# KiCad board Soldered Inkplate 6FLICK.kicad_pcb (continued)
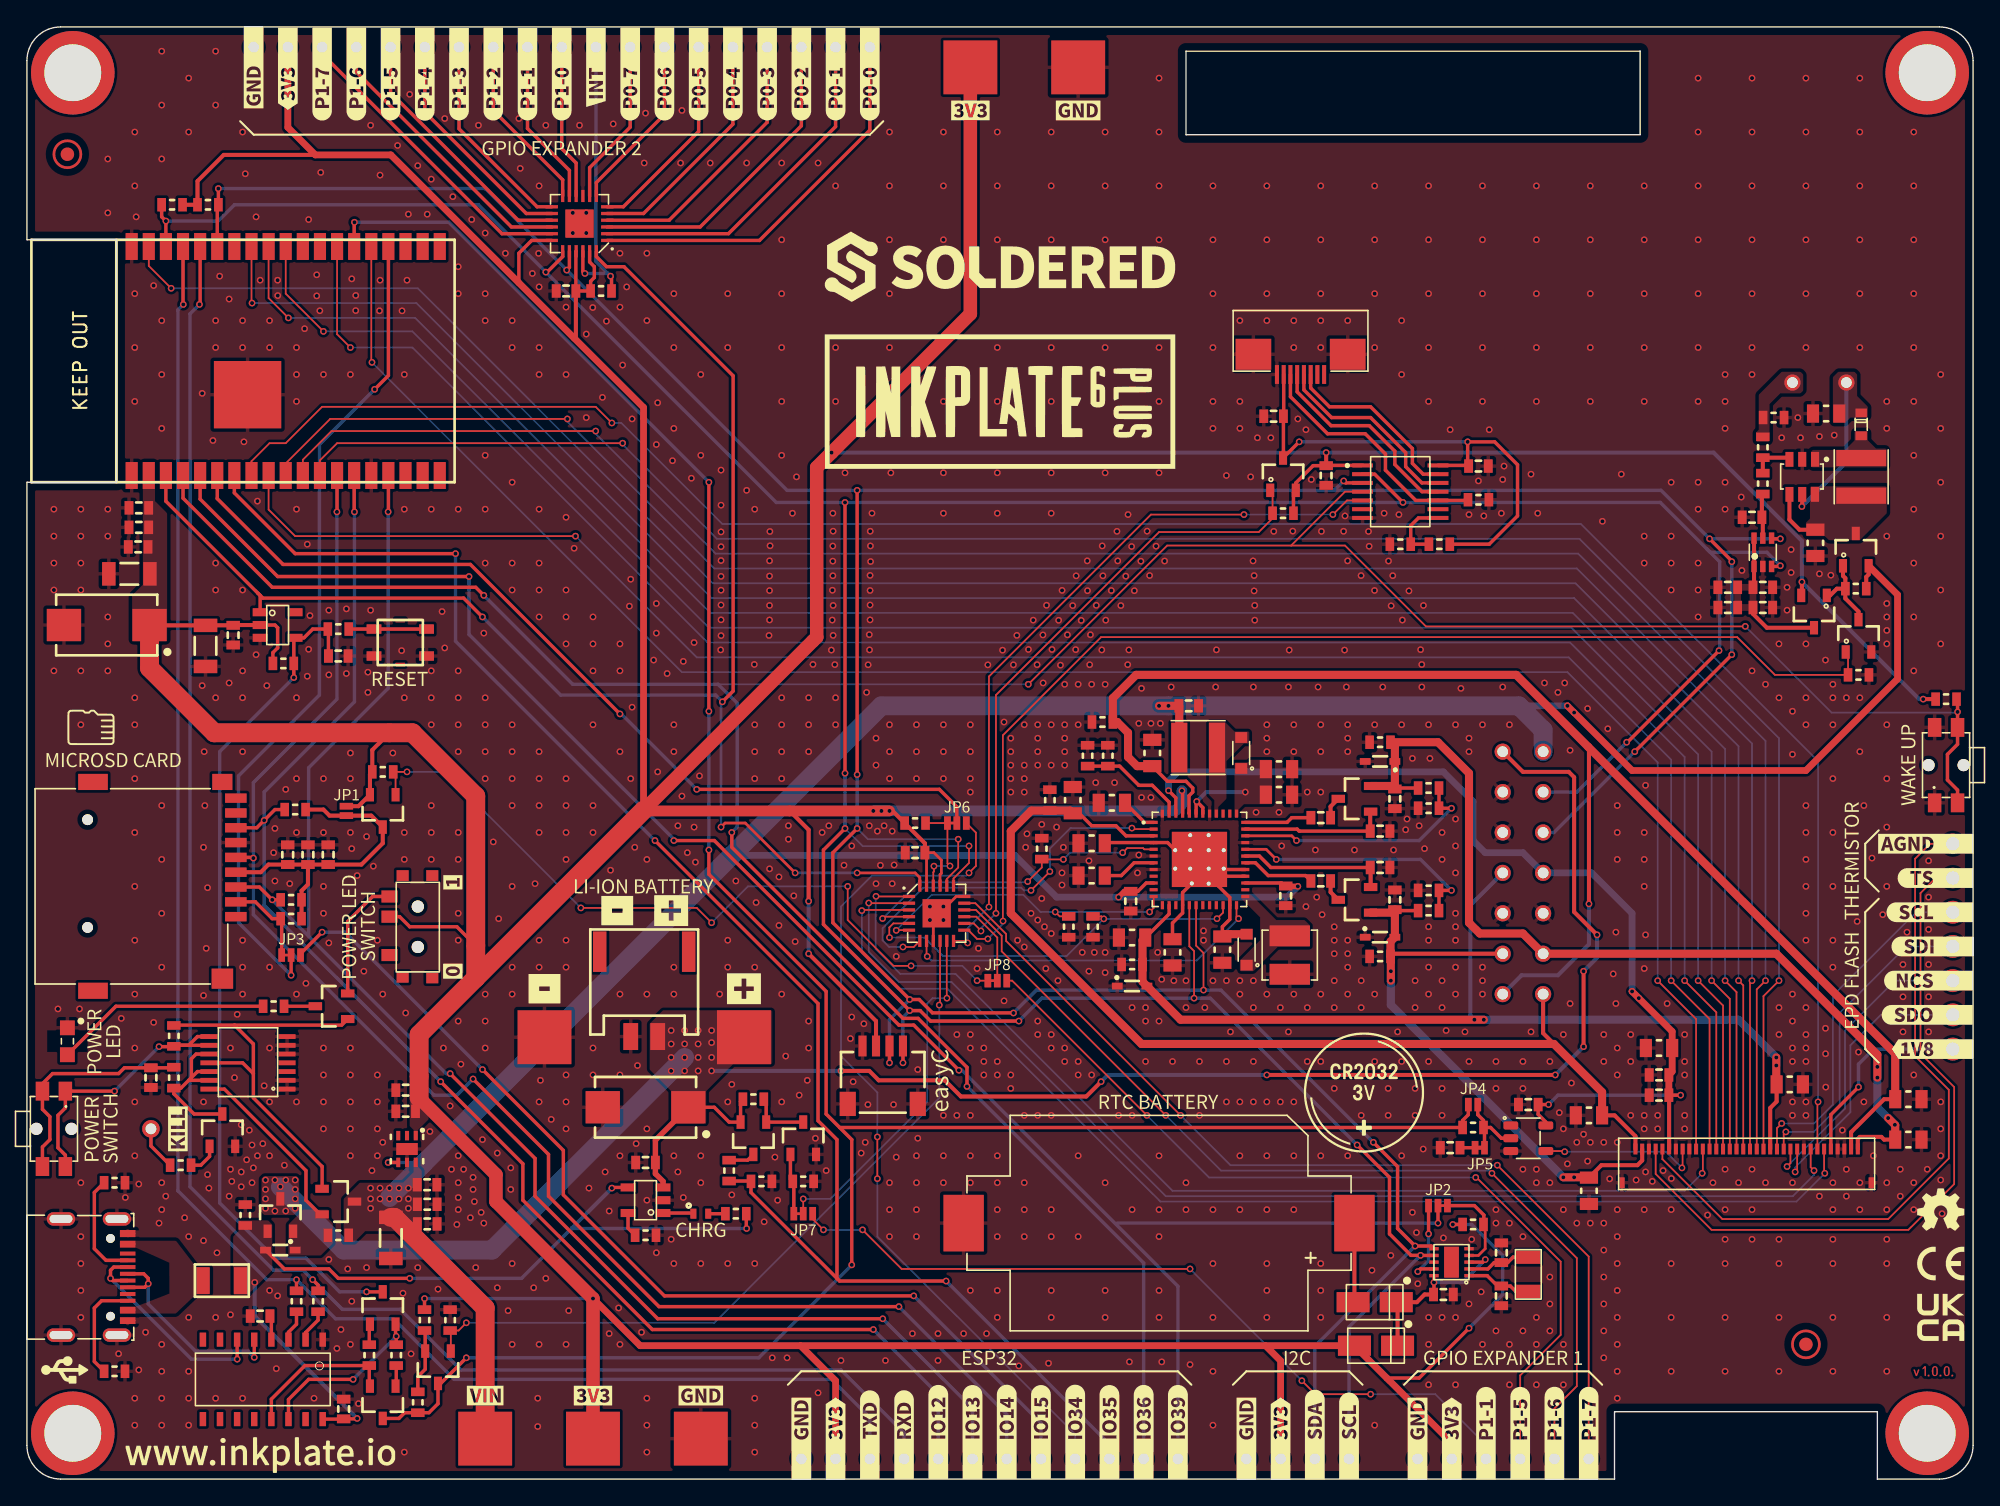
[diagram p0: board, top side]
## Footprints (pads in the part's own frame, mm; a bottom-side part is the same pattern mirrored in y, then rotated) (continued)
INKPLATE TEST HEADER
  round 1.2 hole 0.8: 1(-1.5,9) 2(-1.5,6) 3(-1.5,3) 4(-1.5,0) 5(-1.5,-3) 6(-1.5,-6) 7(-1.5,-9) 8(1.5,-9) 9(1.5,-6) 10(1.5,-3) 11(1.5,0) 12(1.5,3) 13(1.5,6) 14(1.5,9)
JST-2pin-SMD
  rect 1x3 smd: (-3.3,3.15) (3.3,3.15)
  rect 1.1x2 smd: 1(1,-3.15) 2(-1,-3.15)
K2-1114SA-A4SW-06
  round 0.9 hole 0.9 unplated: (0,1.3) (0,-1.3)
  rect 1.4x1 smd: 1(-2.8,0.85) 1(2.8,0.85) 2(-2.8,-0.85) 2(2.8,-0.85)
LTST-S270GKT
  rect 1.1x1.1 smd: 1(-1,0) 2(1,0)
M4_DIODA
  rect 2.45x1.5 smd: 1(-1.6,0) 2(1.6,0)
MCP47A1-SOT23-6
  rect 0.85x0.4 smd: 1(-1.05,0.65) 2(-1.05,0) 3(-1.05,-0.65) 4(1.05,-0.65) 5(1.05,0) 6(1.05,0.65)
NR4012
  rect 1.2x3.7 smd: 1(-1.4,0) 2(1.4,0)
PAD_4x4
  rect 4x4 smd: 1(0,0)
PCAL6416AHF,128
  rect 0.9x0.24 smd: 1(-2.05,1.25) 2(-2.05,0.75) 3(-2.05,0.25) 4(-2.05,-0.25) 5(-2.05,-0.75) 6(-2.05,-1.25) 13(2.05,-1.25) 14(2.05,-0.75) 15(2.05,-0.25) 16(2.05,0.25) 17(2.05,0.75) 18(2.05,1.25)
  rect 0.24x0.9 smd: 7(-1.25,-2.05) 8(-0.75,-2.05) 9(-0.25,-2.05) 10(0.25,-2.05) 11(0.75,-2.05) 12(1.25,-2.05) 19(1.25,2.05) 20(0.75,2.05) 21(0.25,2.05) 22(-0.25,2.05) 23(-0.75,2.05) 24(-1.25,2.05)
  rect 2.1x2.1 smd: 25(0,0)
PCF85063A
  rect 1.1x2.3 smd: (0,0)
  rect 0.7x0.25 smd: 1(-1.3,1) 2(-1.3,0.5) 3(-1.3,0) 4(-1.3,-0.5) 5(-1.3,-1) 6(1.3,-1) 7(1.3,-0.5) 8(1.3,0) 9(1.3,0.5) 10(1.3,1)
SFV8R-1STBE1HLF
  rect 0.3x1.4 smd: 1(-1.75,0) 2(-1.25,0) 3(-0.75,0) 4(-0.25,0) 5(0.25,0) 6(0.75,0) 7(1.25,0) 8(1.75,0)
  rect 2.65x2.3 smd: 9(-3.5,-1.5) 9(3.5,-1.5)
SK-3296S-01-L1
  rect 0.9x1.2 smd: 1(2.1,-2.1) 2(-0.75,-2.1) 3(-2.25,-2.1)
  round 0.9 hole 0.9: MH1(-1.5,0) MH2(1.5,0)
  rect 0.8x0.9 smd: MP1(-3.8,-1.125) MP2(3.75,-1.125) MP3(3.8,1.075) MP4(-3.8,1.075)
SMD-JUMPER-CONNECTED_TRACE_SOLDERMASK
  rect 0.5x1 smd: 1(-0.35,0) 2(0.35,0)
SMD_JUMPER
  rect 0.5x1 smd: 1(-0.35,0) 2(0.35,0)
SMD_JUMPER_3_PAD_CONNECTED_LEFT_TRACE
  rect 0.5x1 smd: 1(-0.7,0) 3(0.7,0)
  custom 0.5x1 smd: 2(0,0)
SN74LVC1G34DBV
  rrect 1.1x0.6 smd: 1(-1.3,0.95) 2(-1.3,0) 3(-1.3,-0.95) 4(1.3,-0.95) 5(1.3,0.95)
SOD-323
  rect 0.8x0.5 smd: 1(1.1,0) 2(-1.1,0)
SOD-323#2
  rect 0.8x0.5 smd: 1(-1.1,0) 2(1.1,0)
SOD-323-2
  rect 0.8x0.9 smd: 1(-1.15,0) 2(1.15,0)
SOD-523
  rect 0.85x0.65 smd: 1(0,-0.85) 2(0,0.85)
SOP-16
  rect 1.05x0.48 smd: 1(-2.95,4.445) 2(-2.95,3.175) 3(-2.95,1.905) 4(-2.95,0.635) 5(-2.95,-0.635) 6(-2.95,-1.905) 7(-2.95,-3.175) 8(-2.95,-4.445) 9(2.95,-4.445) 10(2.95,-3.175) 11(2.95,-1.905) 12(2.95,-0.635) 13(2.95,0.635) 14(2.95,1.905) 15(2.95,3.175) 16(2.95,4.445)
SOT26
  rect 0.6x1.1 smd: 1(-0.95,-1.3) 2(0,-1.3) 3(0.95,-1.3) 4(0.95,1.3) 5(0,1.3) 6(-0.95,1.3)
SOT-23-3
  rect 1x0.6 smd: 1(-1.2,0.95) 2(-1.2,-0.95) 3(1.2,0)
SOT-23-3#2
  rect 1x0.6 smd: 1(1.2,-0.95) 2(1.2,0.95) 3(-1.2,0)
SOT-23-5
  rect 1.1x0.6 smd: 1(-1.3,0.95) 2(-1.3,0) 3(-1.3,-0.95) 4(1.3,-0.95) 5(1.3,0.95)
Standoff_M3
  round 6.2 hole 4.22: (0,0)
TESTPOINT-HOLE
  round 1.2 hole 0.8: 1(0,0)
TPS7A2633DRVR
  rect 0.7x0.3 smd: 1(-0.995,0.65) 2(-0.995,0) 3(-0.995,-0.65) 4(0.995,-0.65) 5(0.995,0) 6(0.995,0.65)
  rect 0.89x1.6 smd: 5(0,0)
TSSOP-14
  rect 1.26x0.36 smd: 1(-2.9,1.95) 2(-2.9,1.3) 3(-2.9,0.65) 4(-2.9,0) 5(-2.9,-0.65) 6(-2.9,-1.3) 7(-2.9,-1.95) 8(2.9,-1.95) 9(2.9,-1.3) 10(2.9,-0.65) 11(2.9,0) 12(2.9,0.65) 13(2.9,1.3) 14(2.9,1.95)
TXS0104EPWR
  rect 1.55x0.3 smd: 1(-2.8,1.95) 2(-2.8,1.3) 3(-2.8,0.65) 4(-2.8,0) 5(-2.8,-0.65) 6(-2.8,-1.3) 7(-2.8,-1.95) 8(2.8,-1.95) 9(2.8,-1.3) 10(2.79,-0.65) 11(2.8,0) 12(2.8,0.65) 13(2.8,1.3) 14(2.8,1.95)
U262-161N-4BVC11
  round 0.65 hole 0.65 unplated: (-2.913,-3.2) (2.862,-3.2)
  rect 0.3x1.15 smd: A1(3.337,-4.475) A4(2.537,-4.475) A5(1.237,-4.475) A6(0.237,-4.475) A7(-0.263,-4.475) A8(-1.263,-4.475) A9(-2.563,-4.475) A12(-3.338,-4.475) B1(-3.138,-4.475) B4(-2.363,-4.475) B5(-1.763,-4.475) B6(-0.763,-4.475) B7(0.737,-4.475) B8(1.737,-4.475) B9(2.337,-4.475) B12(3.112,-4.475)
  oval 1x2.1 hole 0.6x1.7: SH(-4.313,0.475) SH(-4.313,-3.675) SH(4.312,0.475) SH(4.312,-3.675)
VQFN-49
  rect 0.6x0.24 smd: 1(-3.4,2.75) 2(-3.4,2.25) 3(-3.4,1.75) 4(-3.4,1.25) 5(-3.4,0.75) 6(-3.4,0.25) 7(-3.4,-0.25) 8(-3.4,-0.75) 9(-3.4,-1.25) 10(-3.4,-1.75) 11(-3.4,-2.25) 12(-3.4,-2.75) 25(3.4,-2.75) 26(3.4,-2.25) 27(3.4,-1.75) 28(3.4,-1.25) 29(3.4,-0.75) 30(3.4,-0.25) 31(3.4,0.25) 32(3.4,0.75) 33(3.4,1.25) 34(3.4,1.75) 35(3.4,2.25) 36(3.4,2.75)
  rect 0.24x0.6 smd: 13(-2.75,-3.4) 14(-2.25,-3.4) 15(-1.75,-3.4) 16(-1.25,-3.4) 17(-0.75,-3.4) 18(-0.25,-3.4) 19(0.25,-3.4) 20(0.75,-3.4) 21(1.25,-3.4) 22(1.75,-3.4) 23(2.25,-3.4) 24(2.75,-3.4) 37(2.75,3.4) 38(2.25,3.4) 39(1.75,3.4) 40(1.25,3.4) 41(0.75,3.4) 42(0.25,3.4) 43(-0.25,3.4) 44(-0.75,3.4) 45(-1.25,3.4) 46(-1.75,3.4) 47(-2.25,3.4) 48(-2.75,3.4)
  round 0.5 hole 0.3: 49(-1.8,0.685) 49(-1.8,-0.685) 49(-0.685,1.8) 49(-0.685,0.685) 49(-0.685,-0.685) 49(-0.57,-1.78) 49(0.685,1.8) 49(0.685,0.685) 49(0.685,-0.685) 49(0.685,-1.8) 49(1.8,0.685) 49(1.8,-0.685)
  rect 4.1x4.1 smd: 49(0,0)
YTSA007A0151803B
  rect 0.7x0.25 smd: (0,1.625) (0,-1.625)
  rect 1.1x0.7 smd: 1(-1.95,1) 1(1.95,1) 2(-1.95,-1) 2(1.95,-1)

## Nets
3V3: C21.2 C23.2 C31.2 C33.2 C40.2 C60.2 C61.2 C62.2 C63.2 C64.2 C65.1 C66.2 D11.1 JP1.2 K3.3 K5.1 K16.1 K47.1 K50.1 PAD4.1 PAD5.1 Q10.2 Q11.2 Q12.2 R1.2 R4.2 R20.2 R22.2 R40.1 R41.2 R42.2 R46.1 R56.1 R57.1 S1.2 U1.45 U2.2 U6.1 U8.1 U13.21 U13.23 U14.2 U15.18 U15.21 U15.23
3V3-EINK: C50.2 C57.1 C58.1 C59.2 K1.4 K14.6 U1.46 U12.5
3V3_MICROSD: C37.2 C38.2 C39.2 JP1.1 K10.4 Q10.3 R43.2 R44.2 R45.2
3V3_RTC: C36.2 D11.2 D12.2 U7.3 U7.10
3V3_TOUCH: C41.1 C47.2 K12.7 Q11.3 R47.2 U8.14
/POWER/VDDH_D: C19.2 D7.1 U1.35
/POWER/VDDH_DRV: C17.1 U1.36
/POWER/VDDH_FB: R13.1 R14.2 U1.34
/POWER/VEE_D: C18.2 D6.2 U1.31
/POWER/VEE_DRV: C16.2 U1.30
/POWER/VEE_FB: R15.1 R16.2 U1.32
AGND: K14.5 K52.1
GND: C1.1 C2.1 C3.1 C4.1 C5.1 C6.1 C7.1 C8.1 C9.2 C10.1 C11.2 C12.1 C13.1 C14.1 C15.1 C18.1 C19.1 C20.1 C21.1 C22.1 C23.1 C24.2 C25.1 C26.1 C27.1 C28.1 C29.1 C30.1 C31.1 C32.1 C33.1 C34.1 C35.1 C36.1 C37.1 C38.1 C39.1 C40.1 C41.2 C42.2 C43.2 C44.2 C45.1 C46.1 C47.1 C48.1 C49.1 C50.1 C51.1 C52.1 C53.1 C54.1 C55.1 C56.1 C57.2 C58.2 C59.1 C60.1 C61.1 C62.1 C63.1 C64.1 C65.2 C66.1 D2.1 D4.2 D5.2 D9.2 K1.3 K1.9 K1.10 K1.12 K2.A1 K2.A12 K2.B1 K2.B12 K2.SH K3.4 K3.5 K4.2 K8.1 K10.6 K11.- K12.8 K12.9 K14.3 K14.7 K14.9 K14.26 K14.31 K14.32 K14.35 K17.1 K48.1 K51.1 L1.1 PAD2.1 PAD6.1 PAD7.1 Q4.2 Q8.2 Q13.2 R2.1 R3.1 R5.2 R6.2 R7.2 R8.2 R9.2 R10.1 R11.1 R12.1 R14.1 R16.1 R17.2 R18.2 R19.1 R25.1 R31.1 R32.2 R36.1 R48.2 R49.2 R50.1 R53.1 SW1.1 SW3.1 U1.6 U1.8 U1.33 U1.41 U1.48 U2.3 U3.1 U4.2 U5.1 U5.2 U5.5 U5.6 U5.7 U6.5 U7.5 U8.7 U9.2 U10.2 U12.3 U13.9 U13.18 U13.25 U14.1 U14.15 U14.38 U14.39 U15.9 U15.25
VBAT: C24.1 C25.2 K1.8 K4.1 PAD1.1 Q5.2 Q7.3 R29.2 U4.3
VDDH: C14.2 C55.2 D2.2 D7.2 K1.2 K14.34 R10.2 R13.2
VEE: C15.2 C52.2 D5.1 D6.1 K1.13 K14.2 R12.2 R15.2
VIN: C5.2 C8.2 C10.2 C27.2 C28.2 C29.2 C30.2 K1.7 L2.1 PAD3.1 Q9.3 Q14.2 R34.2 R54.2 U1.10 U1.27 U6.4 U6.6
VIN_BCK: C49.2 L3.2 Q14.3 U10.4 U10.6
/CTRL & COMS/CH_RXD: R23.1 U3.3
/CTRL & COMS/CH_TXD: R24.1 U3.2
/CTRL & COMS/DTR: Q3.2 R26.2 U3.13
/CTRL & COMS/RTS: Q2.2 R27.2 U3.14
/E-paper/DAC_OUT: C45.2 R52.2 U9.5
/MCU & GPIO Expanders/GPB_6: K21.1 U13.16
/MCU & GPIO Expanders/GPB_7: K22.1 U13.17
/POWER/INT_LDO: C4.2 U1.7
/POWER/TS: R2.2 R3.2 U1.47
/POWER/VB: C11.1 C12.2 D3.1 U1.37 U1.42 U1.43
/POWER/VB_SW: D3.2 L2.2 U1.40
/POWER/VN: C3.2 C7.2 C9.1 D1.2 U1.4 U1.16 U1.23 U1.28 U1.29 U1.49
/POWER/VN_SW: D1.1 L1.2 U1.25
/POWER/VREF: C1.2 U1.1
/SD_RTC_GPIO/CLKOUT_RTC: JP2.3 U7.9
/SD_RTC_GPIO/X1: C34.2 U7.1 X1.1
/SD_RTC_GPIO/X2: C35.2 U7.2 X1.2
BCK_ANODE: C48.2 D13.2 TP2.1 U10.5
BCK_CATHODE: R50.2 R51.1 TP1.1
BCK_MOS: Q12.1 Q13.3 Q14.1 R54.1
D+: K2.A6 K2.B6 U3.5
D-: K2.A7 K2.B7 U3.6
EPD_CKV: K14.28 U14.8
EPD_CL: K14.8 U12.4
EPD_D0: K14.13 U14.26
EPD_D1: K14.14 U14.29
EPD_D2: K14.15 U14.30
EPD_D3: K14.16 U14.31
EPD_D4: K14.17 U14.37
EPD_D5: K14.18 U14.10
EPD_D6: K14.19 U14.11
EPD_D7: K14.20 U14.12
EPD_GMODE: K14.27 U13.2
EPD_LE: K14.10 U14.24
EPD_OE: K14.11 U13.1
EPD_SPH: K14.12 U14.9
EPD_SPV: K14.29 U13.3
GPB3: Q13.1 R53.2 U13.13
GPB4: Q11.1 R46.2 U13.14
GPIO15: JP3.3 K38.1
GPIO_0: JP4.1 Q1.3 Q3.3 R21.1 R55.1 U14.25
GPIO_0_MOSFET: Q1.1 R19.2 U13.10
GPIO_36: K37.1 R41.1 SW3.2 U8.4 U14.4
GPIO_39: JP2.2 K36.1 U14.5
I2C_SCL: K1.6 K3.1 K6.1 R1.1 U1.17 U7.7 U8.2 U9.3 U13.19 U14.36 U15.19
I2C_SCL_B: K12.3 U8.13
I2C_SDA: K1.5 K3.2 K7.1 R4.1 U1.18 U7.6 U8.3 U9.4 U13.20 U14.33 U15.20
I2C_SDA_B: K12.4 U8.12
INT: U1.2 U13.7
INTB: JP6.1 R56.2 U13.22
IO34: JP6.2 U14.6
MANUAL_RST: C26.2 Q2.3 R22.1 R33.2 U2.4
PWR_GOOD: U1.24 U13.8
PWRUP: R7.1 U1.22 U13.5
RST: U2.1 U13.24 U14.3 U15.24
RXD: K20.1 R24.2 U14.34
SD_ENABLE: JP8.1 Q10.1 R40.2
SPI_CS: JP3.2 U14.23
SPI_MISO: K10.7 K26.1 R45.1 U14.14
SPI_MOSI: K10.3 K27.1 R44.1 U14.16
SPI_SCK: K10.5 K25.1 U14.13
SW_IN: D10.2 Q7.2 Q9.2 R34.1 U5.14
SW_OUT_D: Q6.1 Q9.1 R38.2 U5.11
TOUCH_INT_B: K12.5 U8.11
TOUCH_RESET: U8.5 U13.12
TOUCH_RESET_B: K12.6 R49.1 U8.10
TS: K14.4 K52.2
TXD: K19.1 R23.2 U14.35
V_BAT: K18.1 R30.1 R31.2 U14.7
V_BAT_MOS: JP7.1 Q4.1 R25.2
VCOM: C6.2 C53.2 D4.1 K1.11 K14.21 R11.2 U1.14
VCOM_CTRL: R6.1 U1.12 U13.6
VNEG: C2.2 C51.2 K1.1 K14.1 R8.1 U1.3
VPOS: C13.2 C54.2 K1.14 K14.33 R9.1 U1.44
VUSB: C20.2 D10.1 F1.1 Q7.1 R28.1 R36.2 U3.16 U4.4
WAKEUP: R5.1 U1.5 U13.4
Net-(C16-Pad1): C16.1 D6.3
Net-(C17-Pad2): C17.2 D7.3
Net-(C22-Pad2): C22.2 U3.4
Net-(C32-Pad2): C32.2 R39.1 SW2.2
Net-(C42-Pad1): C42.1 C43.1 C44.1 C46.2 Q12.3 U9.1 U9.6
Net-(C56-Pad2): C56.2 JP5.1
Net-(D8-Pad1): D8.1 R28.2
Net-(D8-Pad2): D8.2 U4.1
Net-(D9-Pad1): D9.1 R35.2
Net-(D12-Pad1): D12.1 K11.+
Net-(D13-Pad1): D13.1 L3.1 U10.1
Net-(F1-Pad2): F1.2 K2.A4 K2.A9 K2.B4 K2.B9
Net-(JP2-Pad1): JP2.1 R42.1 U7.4
Net-(JP3-Pad1): JP3.1 K10.2 R43.1
Net-(JP4-Pad2): JP4.2 JP5.2 R55.2 U12.2
Net-(JP6-Pad3): JP6.3 K15.1
Net-(JP7-Pad2): JP7.2 U13.11
Net-(JP7-Pad3): JP7.3 K23.1
Net-(JP8-Pad2): JP8.2 U13.15
Net-(JP8-Pad3): JP8.3 K24.1
Net-(K2-PadA5): K2.A5 R18.1
Net-(K2-PadB5): K2.B5 R17.1
Net-(K9-Pad1): K9.1 R37.2
Net-(K13-Pad1): K13.1 K14.30
Net-(K13-Pad2): K13.2 K14.25
Net-(K13-Pad3): K13.3 K14.24
Net-(K13-Pad4): K13.4 K14.23
Net-(K13-Pad5): K13.5 K14.22
Net-(K28-Pad1): K28.1 U15.1
Net-(K29-Pad1): K29.1 U15.2
Net-(K30-Pad1): K30.1 U15.3
Net-(K31-Pad1): K31.1 U15.4
Net-(K32-Pad1): K32.1 U15.5
Net-(K33-Pad1): K33.1 U15.6
Net-(K34-Pad1): K34.1 U15.7
Net-(K35-Pad1): K35.1 U15.8
Net-(K39-Pad1): K39.1 U15.10
Net-(K40-Pad1): K40.1 U15.11
Net-(K41-Pad1): K41.1 U15.12
Net-(K42-Pad1): K42.1 U15.13
Net-(K43-Pad1): K43.1 U15.14
Net-(K44-Pad1): K44.1 U15.15
Net-(K45-Pad1): K45.1 U15.16
Net-(K46-Pad1): K46.1 U15.17
Net-(K49-Pad1): K49.1 R57.2 U15.22
Net-(Q1-Pad2): Q1.2 R20.1 R21.2
Net-(Q2-Pad1): Q2.1 R26.1
Net-(Q3-Pad1): Q3.1 R27.1
Net-(Q4-Pad3): Q4.3 Q5.1 R29.1
Net-(Q5-Pad3): Q5.3 R30.2
Net-(Q6-Pad2): Q6.2 S1.3
Net-(Q6-Pad3): Q6.3 R35.1
Net-(Q8-Pad1): Q8.1 R37.1
Net-(Q8-Pad3): Q8.3 R39.2 U5.10 U5.12 U5.13
Net-(R32-Pad1): R32.1 U4.5
Net-(R33-Pad1): R33.1 SW1.2
Net-(R38-Pad1): R38.1 SW2.1 U5.8 U5.9
Net-(R47-Pad1): R47.1 R48.1 U8.8
Net-(R51-Pad2): R51.2 R52.1 U10.3

Pads without a net: FD1 1; FD2 1; K2 A8 B8; K10 1 8 12 CD MNT; K12 1 2; S1 1 MH1 MH2 MP1 MP2 MP3 MP4; U1 9 11 13 15 19 20 21 26 38 39; U2 5; U3 7 8 9 10 11 12 15; U5 3 4; U6 2 3; U7 8; U8 6 9; U12 1; U14 17 18 19 20 21 22 27 28 32

## Via types
v1: diameter 0.5, hole 0.3, Top to Bottom, 1687 vias

## Routing (per net, layer and track width the routed paths; a pad name or vN(x,y) marks a point on that pad's centre or on a via; arc(x,y) is an arc through that point)
3V3: length 591.1
  Top w0.2: U13.23 66.75,46.38 C60.2 67.3,46.5 67.85,45.95 67.85,44.97 67.75,44.87 U13.21
  Top w0.254: U8.1 96.82,75.25 96.8,75.23 95.43,75.23 94.15,73.95 Q11.2 93.97,73.22 R46.1 ; S1.2 27.65,41.75 28.4,41 31.9,41 33.3,39.6 ; 13.25,63.38 C21.2 ; U1.45 85.75,51.05 v1(85.7,51.1) ; U15.21 40.73,91.13 C66.2 R57.1 41.83,88.92 42.1,89.2 42.1,90 41.75,90.35 U15.23 ; R20.2 v1(29.5,13.4) ; R22.2 18.25,61.35 18.6,61.7 18.6,63.2 18.4,63.4 U2.2 ; 9.12,63.38 C65.1 ; v1(107,11.2) 103.3,7.5 100.9,7.5 ; 36.5,88.8 36.5,91 37.45,91.95 U15.18 ; 15.32,63.4 C23.2 ; v1(105.8,18.9) R42.2
  Top w0.3: C21.2 9.12,63.38 ; R41.2 v1(140.7,57.9) ; v1(131.7,66.6) 131.7,65.65 Q12.2 ; C60.2 66.63,47.19 64.22,49.6 v1(64,49.6) ; 21.4,98.3 14.6,98.3 12.66,96.35 R4.2 R1.2 ; C40.2 v1(96.4,76.2) ; JP1.2 24.6,49.95 Q10.2 25.45,52.33 R40.1 25.62,54.12 26.9,55.4 ; U2.2 15.32,63.4 ; v1(58,39) 63,34 K3.3 ; C23.2 13.25,63.38 ; v1(58,42.9) 58,48.2 56.6,49.6 ; 40.73,84.57 C66.2
  Top w0.5: 57.4,9.9 45.5,9.9 v1(42,13.4) ; 57.4,9.9 91.9,9.9 ; 57.4,9.9 60,7.3 K16.1 ; 91.9,9.9 D11.1 105.72,2.68 K47.1 ; 91.9,9.9 93.02,8.78 K5.1 ; 45.75,49.65 45.75,79.55 27,98.3 21.4,98.3 19.36,100.34 K50.1
  Top w0.8: 45.75,49.65 45.8,49.6 v1(64,49.6)
  Top w1: 45.75,49.65 58.6,62.5 58.6,75.1 v1(59.7,76.2) 70,86.5 PAD4.1 ; PAD5.1 v1(42,13.4) 34.8,20.6 34.8,22.6 29.1,28.3
  Top w1.4: 29.1,28.3 29.1,33 33.3,37.2 ; C65.1 9.09,60.2 13.9,55.4 28.6,55.4 33.3,50.7 33.3,37.2 ; 33.3,37.2 45.75,49.65
  Bottom w0.254: v1(42,13.4) v1(29.5,13.4) ; v1(107,11.2) 109.5,13.7 109.5,16.6 107.2,18.9 v1(105.8,18.9)
  Bottom w0.3: v1(59.7,76.2) v1(96.4,76.2) 125.15,76.2 131.7,69.65 v1(131.7,66.6) 140.4,57.9 v1(140.7,57.9) ; v1(58,39) v1(58,42.9)
  Bottom w0.8: v1(85.7,51.1) 85.7,50.1 85.2,49.6 v1(62.8,49.6)
  vias: v1(63.4,49.6)
3V3-EINK: length 76.4
  Top w0.254: v1(84.71,51.11) 85.25,50.57 U1.46 ; U12.5 112.7,26.5 112.13,27.07 C59.2 v1(112.9,27.8) ; v1(122.7,28.5) C58.1
  Top w0.3: C58.1 121.85,28.48 K14.6
  Top w0.5: v1(119.1,36.2) 122.07,33.22 C50.2 122.07,30.25 C57.1 C58.1
  Bottom w0.254: 85.3,52.4 85.4,52.5 ; v1(112.9,27.8) 113.6,28.5 v1(122.7,28.5)
  Bottom w0.5: 85.4,52.5 105.1,52.5 107.3,50.3 107.3,47.4 108.2,46.5 111,46.5 K1.4 116.1,45 119.1,42 v1(119.1,36.2) v1(119.6,35.7) ; 85.3,52.4 84.71,51.81 v1(84.71,51.11)
3V3_MICROSD: length 23.5
  Top w0.3: C39.2 C37.2 24.82,45.62 26.4,47.2 Q10.3 25.55,49.25 JP1.1 22.45,49.25 22,49.7 R45.2 ; C39.2 C38.2 17.92,45.62 17.35,45.05 K10.4 ; C39.2 20.85,44.15 20.38,43.67 R44.2 R43.2
3V3_RTC: length 13.5
  Top w0.254: v1(108.21,16.29) 108.02,16.1 U7.3 ; U7.10 104.4,13.73 C36.2
  Top w0.3: D11.2 101.7,13.03 D12.2 103.13,13.13 103.7,13.7 C36.2
  Bottom w0.254: v1(104.4,14.6) 106.52,14.6 v1(108.21,16.29)
3V3_TOUCH: length 38.6
  Top w0.254: U8.14 106.92,75.25 C41.1 106.9,75.27 v1(106.9,77) 108.9,77 110.6,75.3 110.6,71.5 108.5,69.4 R47.2 ; v1(94.4,77) Q11.3 93.23,75.83 C47.2 93.25,78.92 K12.7
  Bottom w0.254: v1(94.4,77) v1(106.9,77)
/POWER/VDDH_D: length 10.8
  Top w0.254: 99.67,49.52 D7.1 ; U1.35 94.25,48.25 94.4,48.1 C19.2
  Top w0.3: C19.2 99.67,49.52
/POWER/VDDH_DRV: length 4.9
  Top w0.254: 95.17,49.1 93.85,49.1 93.5,48.75 U1.36
/POWER/VDDH_FB: length 18.9
  Top w0.2: U1.34 93.85,47.75 v1(94.2,47.4)
  Top w0.254: v1(105.7,49.8) R14.2 R13.1
  Bottom w0.254: v1(94.2,47.4) 103.3,47.4 v1(105.7,49.8)
/POWER/VEE_D: length 11.1
  Top w0.254: U1.31 91.45,46.25 92.3,45.4 C18.2 99.7,45.37
  Top w0.3: D6.2 99.7,45.37
/POWER/VEE_DRV: length 5.4
  Top w0.254: U1.30 91.15,45.75 92.1,44.8 94.87,44.8 C16.2
/POWER/VEE_FB: length 19
  Top w0.2: U1.32 91.95,46.75 v1(92.7,46)
  Top w0.254: R15.1 R16.2 v1(105.7,43.7)
  Bottom w0.254: v1(105.7,43.7) 103.4,46 v1(92.7,46)
AGND: length 52.3
  Top w0.127: K52.1 141.21,47.16 140.1,46.05 140.1,31.4 142.6,28.9 142.6,23.8 138.1,19.3 125.8,19.3 121.35,23.75 K14.5
GND: length 3.5
  Top w0.2: U13.9 67.25,41.25 v1(67,41.5) ; v1(68,42.5) 68.2,42.5 68.95,43.25 U13.18
  vias: v1(2,72) v1(2,70) v1(2,68) v1(2,66) v1(2,60) v1(2.3,34.9) v1(3.9,34.9) v1(4,72) v1(4,70) v1(4,68) v1(4,66) v1(4,60) v1(4,56) v1(4,22) v1(4,18) v1(4,16) v1(4,14) v1(4,12) v1(6,98) v1(6,94) v1(6,72) v1(6,70) v1(6,64) v1(6,62) v1(6,60) v1(6.8,9.3) v1(7,34.2) v1(7.3,20.9) v1(8,100) v1(8,96) v1(8,88) v1(8,84) v1(8,80) v1(8,58) v1(8,56) v1(8,52) v1(8,48) v1(8,44) v1(8,40) v1(8,36) v1(8,32) v1(8,28) v1(8,24) v1(8,6) v1(8,4) v1(8.1,93.7) v1(8.3,21.9) v1(8.3,8.1) v1(8.8,10.9) v1(9.4,88.6) v1(9.4,33.9) v1(9.8,19) v1(10,106) v1(10,102) v1(10,98) v1(10,86) v1(10,82) v1(10,78) v1(10,50) v1(10,46) v1(10,42) v1(10,38) v1(10,22) v1(10,20) v1(10,10) v1(10,8) v1(10,6) v1(10,4) v1(10.3,21) v1(11.7,19.4) v1(12,104) v1(12,100) v1(12,18) v1(12,12) v1(12,8) v1(12,6) v1(12,4) v1(13,80.6) v1(13,58.9) v1(13.1,46.9) v1(13.1,35.9) v1(13.1,28) v1(13.1,17.7) v1(13.15,54) v1(13.2,50) v1(13.3,39.4) v1(13.4,43.9) v1(13.4,22.6) v1(13.5,21.6) v1(13.8,77.1) v1(14,106) v1(14,102) v1(14,86) v1(14,84) v1(14,68) v1(14,66) v1(14,58) v1(14,12) v1(14,6) v1(14.1,16.8) v1(14.3,89.3) v1(15,87.6) v1(15,59.1) v1(15,21) v1(15.1,32) v1(15.1,23) v1(15.1,12.2) v1(15.2,22.1) v1(15.4,29.8) v1(15.6,34.5) v1(15.9,26.3) v1(15.9,22.8) v1(15.9,21.7) v1(16,100) v1(16,86) v1(16,84) v1(16,66) v1(16,60) v1(16,58) v1(16,54) v1(16,40) v1(16,38) v1(16,36) v1(16,6) v1(16.1,77) v1(16.2,96.9) v1(16.3,23.7) v1(16.5,25.9) v1(16.7,24.8) v1(16.7,22) v1(16.8,23.1) v1(17,93.7) v1(17,61.2) v1(17.1,72.6) v1(17.1,24) v1(17.3,89) v1(17.5,24.9) v1(17.6,29.2) v1(17.8,58.9) v1(18,86) v1(18,84) v1(18,38) v1(18,32) v1(18,28) v1(18,24) v1(18,14) v1(18.3,46.5) v1(18.4,48.3) v1(18.4,44.4) v1(18.5,8.2) v1(18.6,89) v1(18.61,87.86) v1(18.6,13.6) v1(19.1,23.3) v1(19.2,51.2) v1(19.5,44.2) v1(20,84) v1(20,82) v1(20,80) v1(20,72) v1(20,58) v1(20,52) v1(20,48) v1(20,36) v1(20,28) v1(20.6,85.4) v1(20.7,36.8) v1(20.8,69.4) v1(20.8,59.6) v1(20.9,93.5) v1(20.9,61.6) v1(21,64.1) v1(21.3,6) v1(21.5,89.4) v1(21.5,87.83) v1(21.73,86.73) v1(21.8,97) v1(22,82) v1(22,52) v1(22,48) v1(22,44) v1(22,42) v1(22,32) v1(22,30) v1(22,28) v1(22,26) v1(22.4,64.5) v1(22.4,59.7) v1(22.4,39.8) v1(22.4,16.3) v1(23,9.7) v1(23.3,11.1) v1(23.7,64.6) v1(23.7,59.8) v1(23.8,15.6) v1(24,82) v1(24,53.9) v1(24,52) v1(24,48) v1(24,32) v1(24,30) v1(24,28) v1(24,26) v1(24,24) v1(24,10) v1(24.1,89.1) v1(24.1,46.8) v1(24.1,13.2) v1(24.4,87.87) v1(24.39,86.74) v1(24.5,44.8) v1(24.6,5.6) v1(25,37.7) v1(25.2,47.7) v1(25.2,15.7) v1(25.3,59.9) v1(25.3,58.4) v1(25.5,100.5) v1(25.5,64.5) v1(25.6,22.9) v1(25.7,45.5) v1(26,40) v1(26,30) v1(26,28) v1(26,26) v1(26,24) v1(26.2,96.8) v1(26.2,89) v1(26.16,86.73) v1(26.4,36) v1(26.4,25) v1(27.15,53.9) v1(27.5,99) v1(27.83,86.72) v1(27.8,61.5) v1(27.9,13.8) v1(28,82) v1(28,72) v1(28,58) v1(28,48) v1(28,46) v1(28,2) v1(28.1,34.6) v1(28.2,89) v1(28.3,93.9) v1(28.4,102.8) v1(28.5,9.3) v1(29,97.5) v1(29,15.7) v1(29.7,93.9) v1(29.9,25.8) v1(30,96.5) v1(30,72) v1(30,60) v1(30,58) v1(30,56) v1(30,50) v1(30,48) v1(30,46) v1(30.5,14.1) v1(30.8,64.4) v1(30.9,32) v1(31,101) v1(31,61.7) v1(31.4,27.7) v1(31.5,23) v1(31.6,95.2) v1(31.9,18.9) v1(32,90) v1(32,88) v1(32,72) v1(32,60) v1(32,58) v1(32,56) v1(32,54) v1(32,48) v1(32,46) v1(32,42) v1(32,40) v1(32,34) v1(32,24) v1(32,22) v1(32,20.9) v1(32,20) v1(32.2,30.8) v1(32.4,23) v1(32.9,19.4) v1(33,93.5) v1(33.1,22.4) v1(33.1,21.5) v1(33.2,20.6) v1(33.3,15.7) v1(33.5,100.5) v1(33.7,19.8) v1(33.8,25.2) v1(33.9,62.8) v1(33.9,19) v1(34,92.5) v1(34,88) v1(34,86) v1(34,76) v1(34,72) v1(34,68) v1(34,58) v1(34,56) v1(34,54) v1(34,52) v1(34,36) v1(34,34) v1(34,32) v1(34.6,47.3) v1(34.9,24.2) v1(34.9,14.2) v1(35,41.6) v1(35.5,91) v1(35.7,12.5) v1(35.9,23.1) v1(35.9,21.5) v1(36,86) v1(36,84) v1(36,74) v1(36,68) v1(36,66) v1(36,56) v1(36,54) v1(36,52) v1(36,50) v1(36,44) v1(36,38) v1(36,36) v1(36,16) v1(36,10) v1(36.5,101) v1(36.6,97.3) v1(37.5,89.5) v1(37.6,14.2) v1(37.7,44.2) v1(37.9,6) v1(37.9,3.9) v1(38,96) v1(37.96,90.99) v1(38,88.5) v1(38,84) v1(38,82) v1(38,72) v1(38,68) v1(38,66) v1(38,64) v1(38,54) v1(38,52) v1(38,50) v1(38,48) v1(38,40) v1(38,38) v1(38,28) v1(38,10) v1(38.1,29.6) v1(38.5,100.5) v1(38.5,14.9) v1(38.9,26.7) v1(40,87) v1(40,82) v1(40,71.4) v1(40,66) v1(40,64) v1(40,62) v1(40,52) v1(40,50) v1(40,48) v1(40,46) v1(40,40) v1(40,38) v1(40,30) v1(40,28) v1(40,26) v1(40,10) v1(40.2,12.5) v1(40.5,94) v1(40.5,92.5) v1(40.6,69.1) v1(41,100.5) v1(41.5,94) v1(41.5,92.5) v1(41.5,85) v1(41.5,78.8) v1(41.7,21.6) v1(41.98,86.97) v1(42,64) v1(42,62) v1(42,60) v1(42,56) v1(42,50) v1(42,48) v1(42,32) v1(42,30) v1(42.7,80.3) v1(42.9,22.8) v1(43,85.96) v1(43.2,19.9) v1(43.2,10.8) v1(43.3,45.2) v1(43.5,100.6) v1(43.9,12.7) v1(44,91) v1(44,87) v1(44,62) v1(44,60) v1(44,54) v1(44,36) v1(44,30) v1(44,24) v1(44,10) v1(44.2,82.7) v1(44.5,88.5) v1(44.7,64.8) v1(44.8,66.8) v1(44.8,52) v1(44.9,78.7) v1(44.9,57.3) v1(45.1,46.9) v1(45.2,24.9) v1(45.3,30.7) v1(45.6,10.9) v1(45.8,97.7) v1(45.9,101.4) v1(46,91) v1(46,86) v1(46,46) v1(46,36) v1(46,26) v1(46,20.7) v1(46,6) v1(46,4) v1(46,2) v1(46.5,60.8) v1(46.7,76.8) v1(46.7,65) v1(46.7,62.8) v1(46.7,16.8) v1(46.8,79.9) v1(46.8,52.5) v1(47.5,59.8) v1(47.8,17.8) v1(47.9,75.6) v1(48,88) v1(48,84) v1(48,78) v1(48,56) v1(48,54) v1(48,38) v1(48,36) v1(48,24) v1(48,16) v1(48.3,48.5) v1(48.3,22.8) v1(48.5,97.7) v1(48.6,101.6) v1(48.6,50.7) v1(48.7,60.7) v1(48.7,20.9) v1(49,46.5) v1(49.3,74.3) v1(49.5,62.1) v1(49.5,48.4) v1(49.6,45.8) v1(49.9,52.2) v1(50,82) v1(50,76) v1(50,24) v1(50,22) v1(50,16) v1(50.7,97.7) v1(51.4,36) v1(51.5,74.9) v1(51.5,72.3) v1(51.5,70.31) v1(51.5,69.21) v1(51.5,68.19) v1(51.5,67.01) v1(51.5,65.99) v1(51.5,64.89) v1(51.5,63.79) v1(51.5,62.61) v1(51.47,61.55) v1(52,88) v1(52,84) v1(52,40) v1(52,38) v1(52,28) v1(52,16) v1(52.3,29.3) v1(52.3,21.1) v1(52.6,44.4) v1(53.4,97.7) v1(53.4,73.4) v1(54,72) v1(53.97,60.48) v1(54,56) v1(54,54) v1(54,52) v1(54,38) v1(54,16) v1(54,6) v1(54,4) v1(54,2) v1(54.1,42.8) v1(54.7,19.1) v1(55.13,70.34) v1(55.14,69.28) v1(55.1,68.17) v1(55.1,67.04) v1(55.1,65.96) v1(55.1,64.85) v1(55.1,63.78) v1(55.06,62.63) v1(55.1,45.3) v1(55.3,9) v1(55.5,23.9) v1(55.7,20.7) v1(55.8,44.7) v1(55.8,41.1) v1(56,97.7) v1(56,92) v1(56,88) v1(56,84) v1(56,80) v1(56,76) v1(56,58) v1(56,56) v1(56,54) v1(56,52) v1(56,36) v1(56,28) v1(56.3,31.4) v1(56.4,9) v1(56.5,48.5) v1(56.5,47.5) v1(56.8,71.7) v1(56.9,43.3) v1(57,39.9) v1(57.1,74.4) v1(57.3,28.5) v1(57.9,29.6) v1(58,58) v1(58,56) v1(58,54) v1(58,34) v1(58,32) v1(58.32,60.48) v1(58.5,25.3) v1(58.7,97.7) v1(58.7,6.4) v1(59,48) v1(59.3,22.9) v1(59.5,48.5) v1(59.69,61.54) v1(59.8,71.7) v1(59.81,70.37) v1(59.79,69.26) v1(59.79,68.15) v1(59.8,67.06) v1(59.76,65.98) v1(59.82,64.85) v1(59.75,63.77) v1(59.82,62.63) v1(59.95,60.46) v1(60,96) v1(60,84) v1(60,80) v1(60,58) v1(60,56) v1(60.4,8.8) v1(60.63,45.57) v1(60.7,74.7) v1(61.1,32.7) v1(61.2,47) v1(61.2,34.3) v1(61.3,29.5) v1(61.9,24.2) v1(62.1,33.8) v1(62.2,25) v1(62.3,58.4) v1(62.42,60.45) v1(62.4,27.8) v1(62.5,62.69) v1(62.52,61.55) v1(62.5,48.5) v1(62.57,70.36) v1(62.58,69.27) v1(62.6,68.11) v1(62.56,67.09) v1(62.56,65.96) v1(62.56,64.89) v1(62.56,63.78) v1(62.7,71.7) v1(63,55) v1(63,53) v1(63,44.2) v1(63.1,48.1) v1(63.33,45.57) v1(63.6,48.5) v1(63.7,8.8) v1(64,100) v1(64,96) v1(64,92) v1(64,88) v1(64,84) v1(64,56) v1(64,54) v1(64,52) v1(64,22) v1(64,20) v1(64,18) v1(64.1,74.7) v1(64.2,48.1) v1(64.2,44.2) v1(64.34,45.59) v1(64.3,27.8) v1(64.5,38.8) v1(64.5,23.9) v1(65.7,10.8) v1(66,56) v1(66,54) v1(66,52) v1(66,24) v1(66,22) v1(66,20) v1(66,18) v1(66.1,30.4) v1(66.1,25.3) v1(67,42.5) v1(67.6,10.8) v1(67.6,8.8) v1(68,100) v1(68,96) v1(68,92) v1(68,80) v1(68,74.7) v1(68,71.7) v1(68,56) v1(68,54) v1(68,52) v1(68,41.5) v1(68,27) v1(68,24) v1(68,22) v1(69,33) v1(69,27) v1(69.5,10.8) v1(70,56) v1(70,54) v1(70,52) v1(70,51) v1(70,33) v1(70,32) v1(70,27) v1(70,24) v1(70,22) v1(70,14) v1(70.5,37.9) v1(70.6,39.4) v1(71,32) v1(71,31) v1(71,30) v1(71.2,10.8) v1(71.3,60.44) v1(72,100) v1(72,96) v1(72,92) v1(72,84) v1(72,80) v1(72,74.7) v1(72,71.7) v1(72,31) v1(72,30) v1(72,24) v1(72,22) v1(72,20) v1(72,18) v1(72,14) v1(72,12) v1(72.39,61.53) v1(72.5,56.2) v1(72.5,35.5) v1(73,55) v1(73,54) v1(73,53) v1(73,52) v1(73,51) v1(73,30) v1(73,29) v1(73.19,60.45) v1(73.45,62.63) v1(73.5,40) v1(73.6,8.4) v1(74,56) v1(74,53) v1(74,52) v1(74,51) v1(74,39.5) v1(74,27) v1(74,22) v1(74,20) v1(74,18) v1(74.1,46.9) v1(74.2,47.9) v1(74.31,61.59) v1(74.5,42) v1(74.67,63.76) v1(74.95,60.46) v1(75,56) v1(75,55) v1(75,54) v1(75,53) v1(75,41.5) v1(75,34) v1(75,33) v1(75,27) v1(75.3,48.6) v1(75.3,43.1) v1(75.38,62.66) v1(75.4,59.1) v1(75.5,41) v1(75.6,37.9) v1(75.65,64.87) v1(75.8,8.6) v1(76,100) v1(76,96) v1(76,92) v1(76,84) v1(76,80) v1(76,74.7) v1(76,71.7) v1(76,56) v1(76,53) v1(76,40.5) v1(76,33) v1(76,32) v1(76,27) v1(76,20) v1(76,18) v1(76,14) v1(76,12) v1(76.06,61.59) v1(76.4,48.4) v1(76.5,37) v1(76.55,63.75) v1(76.69,60.42) v1(76.8,65.97) v1(76.8,45) v1(76.8,44.1) v1(76.9,46.9) v1(77,59) v1(77,56) v1(77,55) v1(77,54) v1(77,53) v1(77,32) v1(77,31) v1(77.2,62.67) v1(77.6,64.84) v1(77.81,61.57) v1(77.85,67.05) v1(78,59) v1(78,56) v1(78,31) v1(78,30) v1(78,24) v1(78,18) v1(78.23,63.74) v1(78.3,39.1) v1(78.68,68.16) v1(78.69,65.95) v1(78.8,45.9) v1(78.8,37.7) v1(78.91,62.68) v1(78.86,60.45) v1(79,59) v1(79,30) v1(79.2,39.1) v1(79.34,64.86) v1(79.3,51.7) v1(79.78,69.27) v1(79.84,67.06) v1(79.75,61.55) v1(80,100) v1(80,96) v1(80,92) v1(80,84) v1(80,74.7) v1(80.05,63.76) v1(80,59) v1(80,39.1) v1(80,37.6) v1(80,22) v1(80,14) v1(80,12) v1(80.46,65.96) v1(80.7,51.7) v1(80.88,70.36) v1(80.94,68.16) v1(81,27) v1(81.17,64.85) v1(81.53,67.03) v1(81.7,71.6) v1(81.68,60.46) v1(81.77,61.55) v1(81.8,8.7) v1(81.97,69.23) v1(82,35) v1(82,27) v1(82,20) v1(82.17,65.95) v1(82.4,45) v1(82.5,56.1) v1(82.5,46.33) v1(82.65,68.14) v1(82.7,58.7) v1(82.7,50.6) v1(83,35) v1(83,34) v1(83,31) v1(83.12,70.37) v1(83.3,67.08) v1(83.4,56.1) v1(83.4,50.6) v1(83.78,69.26) v1(83.9,39.1) v1(84,104) v1(84,100) v1(84,96) v1(84,92) v1(84,84) v1(84,80) v1(84,74.7) v1(84,34) v1(84,24) v1(84,20) v1(84,18) v1(84,14) v1(84,12) v1(84.1,56.1) v1(84.2,37.1) v1(84.2,8.7) v1(84.41,68.15) v1(84.9,58.8) v1(85,31) v1(85.1,37) v1(86,37) v1(86,35) v1(86,22) v1(86,20) v1(86.3,8.5) v1(87,31) v1(87,27) v1(87.3,40.7) v1(87.3,40) v1(87.4,35) v1(88,96) v1(88,92) v1(88,88) v1(88,84) v1(88,80) v1(88,78) v1(88,37) v1(88,20) v1(88,16) v1(88,12) v1(88,8) v1(88,4) v1(88.2,58.8) v1(88.26,61.56) v1(89,74.5) v1(89,37) v1(89,31) v1(89,28) v1(89.3,33.2) v1(90,86) v1(90,80) v1(90,78) v1(90,37) v1(90,36) v1(90,28) v1(90,24) v1(90,20) v1(90.8,74.4) v1(90.97,68.16) v1(91,58.8) v1(91,37) v1(91,35) v1(91,31) v1(91,28) v1(91.05,67.07) v1(91.05,65.93) v1(91.1,64.86) v1(91.1,63.76) v1(91.2,49.5) v1(91.3,77.3) v1(92,96) v1(92,92) v1(92,88) v1(92,86) v1(92,56) v1(92,55) v1(92,54) v1(92,36) v1(92,28) v1(92,24) v1(92,20) v1(92,16) v1(92,14) v1(92,12) v1(92.3,77.3) v1(92.51,70.35) v1(92.9,49.5) v1(93,35) v1(93,28) v1(93.1,47) v1(93.6,58.8) v1(93.6,33.2) v1(93.66,61.54) v1(93.92,70.37) v1(94,86) v1(94,84) v1(94,56) v1(94,54) v1(94,36) v1(94,28) v1(94,24) v1(94,20) v1(94.3,78.7) v1(94.9,77.9) v1(94.9,42.5) v1(95,51) v1(95,35) v1(95,31) v1(95.3,74.2) v1(95.6,46.7) v1(95.7,43.2) v1(95.8,58.8) v1(96,96) v1(96,92) v1(96,88) v1(96,86) v1(96,84) v1(96.05,70.35) v1(96,56) v1(96,54) v1(96,51) v1(96,36) v1(96,31) v1(96,24) v1(96,16) v1(96,14) v1(96,12) v1(96.1,41.9) v1(97,41) v1(97,40) v1(97,39) v1(97,37) v1(97,35) v1(97,29) v1(97.69,70.36) v1(97.8,71.5) v1(97.77,61.54) v1(97.9,58.8) v1(98,86) v1(97.99,68.16) v1(98,56) v1(98,55) v1(98,54) v1(98,40) v1(98,39) v1(98,38) v1(98,36) v1(98,24) v1(98.5,46.7) v1(98.99,67.07) v1(99,37) v1(99,35) v1(99,27) v1(99.54,70.35) v1(99.59,69.25) v1(99.8,15.5) v1(100,96) v1(100,92) v1(100,88) v1(100,84) v1(99.99,65.97) v1(100,56) v1(100,36) v1(100,31) v1(100,4) v1(100.6,58.8) v1(100.7,71.7) v1(101.03,68.15) v1(101,29) v1(101,27) v1(101.22,64.83) v1(101.2,16.6) v1(101.34,67.06) v1(101.4,46.7) v1(101.7,33.2) v1(101.8,71.6) v1(102,86) v1(102,82) v1(102,56) v1(102,31) v1(102,24) v1(102.06,63.77) v1(102.3,48.2) v1(102.4,49) v1(102.54,65.93) v1(102.8,53.5) v1(102.8,19.8) v1(103,37) v1(103,35) v1(103,29) v1(103,27) v1(103.1,18.3) v1(103.2,14.5) v1(103.3,48.5) v1(103.41,61.57) v1(103.5,60.47) v1(103.5,58.8) v1(103.62,64.85) v1(103.6,24.5) v1(103.7,46.8) v1(104,96) v1(104,92) v1(104,88) v1(104,84) v1(104,80) v1(104,56) v1(104,41) v1(104,40) v1(104,38) v1(104,36) v1(104,31) v1(104,12) v1(104,10) v1(104,7) v1(104.1,53.5) v1(105,48) v1(105,46) v1(105,37) v1(105,35) v1(105,29) v1(105,27) v1(105,12) v1(105.1,17.9) v1(105.3,33.3) v1(105.6,77.9) v1(106,56) v1(106,49) v1(106,47) v1(106,45) v1(106,42) v1(106,41) v1(106,40) v1(106,38) v1(106,36) v1(106,12) v1(106,7) v1(106.4,58.7) v1(106.7,33.2) v1(107,71.6) v1(107,55) v1(107,54) v1(107,31) v1(107,13) v1(107.2,17.8) v1(107.7,74.1) v1(107.9,13.9) v1(108,96) v1(108,92) v1(108,88) v1(108,84) v1(108,80) v1(108,56) v1(108,38) v1(108,37) v1(108,36) v1(108,10) v1(108.1,71.5) v1(108.5,77.9) v1(109,31) v1(109,29) v1(109,20) v1(109,19) v1(109,11) v1(109.4,71.7) v1(109.5,74.2) v1(109.5,58.8) v1(109.6,75.2) v1(110,56) v1(110,19) v1(110,10) v1(110,7) v1(111,31) v1(111,29) v1(111,23) v1(111,18) v1(111,11) v1(111.6,74.6) v1(111.6,33.2) v1(112,96) v1(112,92) v1(112,88) v1(112,84) v1(112,80) v1(112,23) v1(112,22) v1(112,12) v1(112,10) v1(112,7) v1(112.1,71.7) v1(112.6,59.1) v1(113,31) v1(113,22) v1(113,15) v1(113,13) v1(113,11) v1(113.6,58.4) v1(113.7,27.2) v1(114,33) v1(114,26) v1(114,20) v1(114,10) v1(114,7) v1(114.1,59.1) v1(114.3,23.4) v1(114.5,54.1) v1(114.5,35.3) v1(114.6,29.4) v1(115,25) v1(115,19) v1(115.5,25.6) v1(115.8,57.2) v1(115.8,23.6) v1(116,96) v1(116,92) v1(116,88) v1(116,84) v1(116,80) v1(116,25) v1(116,19) v1(116.9,71.1) v1(117,33) v1(117,31) v1(117,25) v1(117,19) v1(117,17) v1(117,15) v1(117,13) v1(117,11) v1(117,9) v1(117.3,55.7) v1(117.44,22.29) v1(117.7,37.5) v1(117.9,40.6) v1(117.9,35.3) v1(118,50) v1(118,48) v1(118,46) v1(118,32) v1(118,30) v1(118,25) v1(118,20) v1(118,18) v1(118,16) v1(118,14) v1(118,12) v1(118,10) v1(118,8) v1(118,6) v1(118.3,74.6) v1(119,33) v1(119,31) v1(119,27) v1(119.4,22.2) v1(120,96) v1(120,92) v1(120,88) v1(120,84) v1(120,80) v1(120,70) v1(120,68) v1(120,48) v1(120,46) v1(120,44) v1(120,37.9) v1(120,27) v1(120,26) v1(120,20) v1(120.1,51.5) v1(120.1,40.4) v1(120.1,22.8) v1(120.6,22.1) v1(121,27) v1(121,26) v1(121.4,22.9) v1(121.7,35.3) v1(122,74) v1(122,70) v1(122,68) v1(122,66) v1(122.01,22.31) v1(122,20) v1(122,16) v1(122,12) v1(122,8) v1(123,33) v1(123,31) v1(123,30) v1(123,27) v1(123,26) v1(124,104) v1(124,100) v1(124,96) v1(124,92) v1(124,88) v1(124,84) v1(124,80) v1(124,74) v1(124,72) v1(124,68) v1(124,66) v1(124,64) v1(124.7,19.6) v1(125.1,22) v1(126,82) v1(126,80) v1(126,78) v1(126,74) v1(126,72) v1(126,23) v1(126,20) v1(126,17.8) v1(126,16) v1(126,12) v1(126,8) v1(127,22) v1(127.2,72.9) v1(127.25,67.45) v1(128,104) v1(128,100) v1(128,96) v1(128,92) v1(128,88) v1(128,84) v1(128,82) v1(128,60) v1(128,23) v1(128,20) v1(128,17.8) v1(129,59) v1(129,22) v1(130,62) v1(130,58) v1(130,35) v1(130,33) v1(130,17.8) v1(130,16) v1(130,12) v1(130,8) v1(130.2,77.3) v1(130.6,66.2) v1(130.6,64.5) v1(130.9,69) v1(130.9,67.3) v1(131,57) v1(131,53.8) v1(131,36) v1(131,34) v1(131,32) v1(131,31) v1(131,28) v1(131,27) v1(131,22) v1(131.4,78.8) v1(131.6,77.3) v1(132,104) v1(132,100) v1(132,96) v1(132,92) v1(132,88) v1(132,84) v1(132,62) v1(132,58) v1(132,56) v1(132,50) v1(132,48) v1(132,46) v1(132,44) v1(132,42) v1(132,40) v1(132,35) v1(132,33) v1(132,32) v1(132,31) v1(132,28) v1(132,27) v1(133,77.4) v1(133,67.2) v1(133,21) v1(133.45,60.8) v1(133.45,33.46) v1(133.46,31.57) v1(133.47,29.1) v1(133.85,67.1) v1(134,59) v1(134,58) v1(134,56) v1(134,52) v1(134,48) v1(134,44) v1(134,40) v1(134,38) v1(134,22) v1(134,20) v1(134,17.8) v1(134,16) v1(134,12) v1(134,8) v1(134.1,77.5) v1(134.7,25.9) v1(135,58) v1(135,23) v1(135,21) v1(135.8,41.4) v1(135.9,31.7) v1(136,104) v1(136,100) v1(136,96) v1(136,92) v1(136,88) v1(136,84) v1(136,58) v1(136,54) v1(136,22) v1(136,20) v1(136.3,50) v1(136.3,28) v1(136.9,46.1) v1(137,24) v1(137.7,41.9) v1(138,80) v1(138,78) v1(138,70) v1(138,65) v1(138,64) v1(138,63) v1(138,62) v1(138,56) v1(138,52) v1(138,48.4) v1(138,44) v1(138,22) v1(138,20) v1(138,17.8) v1(138,16) v1(138,12) v1(138,8) v1(139,23) v1(139,21) v1(139.2,38.2) v1(139.2,35.8) v1(139.2,33.2) v1(139.5,40.6) v1(140,100) v1(140,96) v1(140,92) v1(140,88) v1(140,84) v1(140,80) v1(140,76) v1(140,72) v1(140,68) v1(140,64) v1(140,60) v1(140,30) v1(140,22) v1(140,20) v1(141,23) v1(141.1,45.9) v1(141.1,43.2) v1(141.1,40.8) v1(141.1,38.2) v1(141.1,35.8) v1(141.1,33.2) v1(142,82) v1(142,78) v1(142,74) v1(142,70) v1(142,66) v1(142,62) v1(142,28) v1(142,26) v1(142,24) v1(142,22.2) v1(142.1,19.7)
